# Altium PCB Bran_Main_Assay_PCB_v2_20170826.pcbdoc (part 1 of 4) (continued)
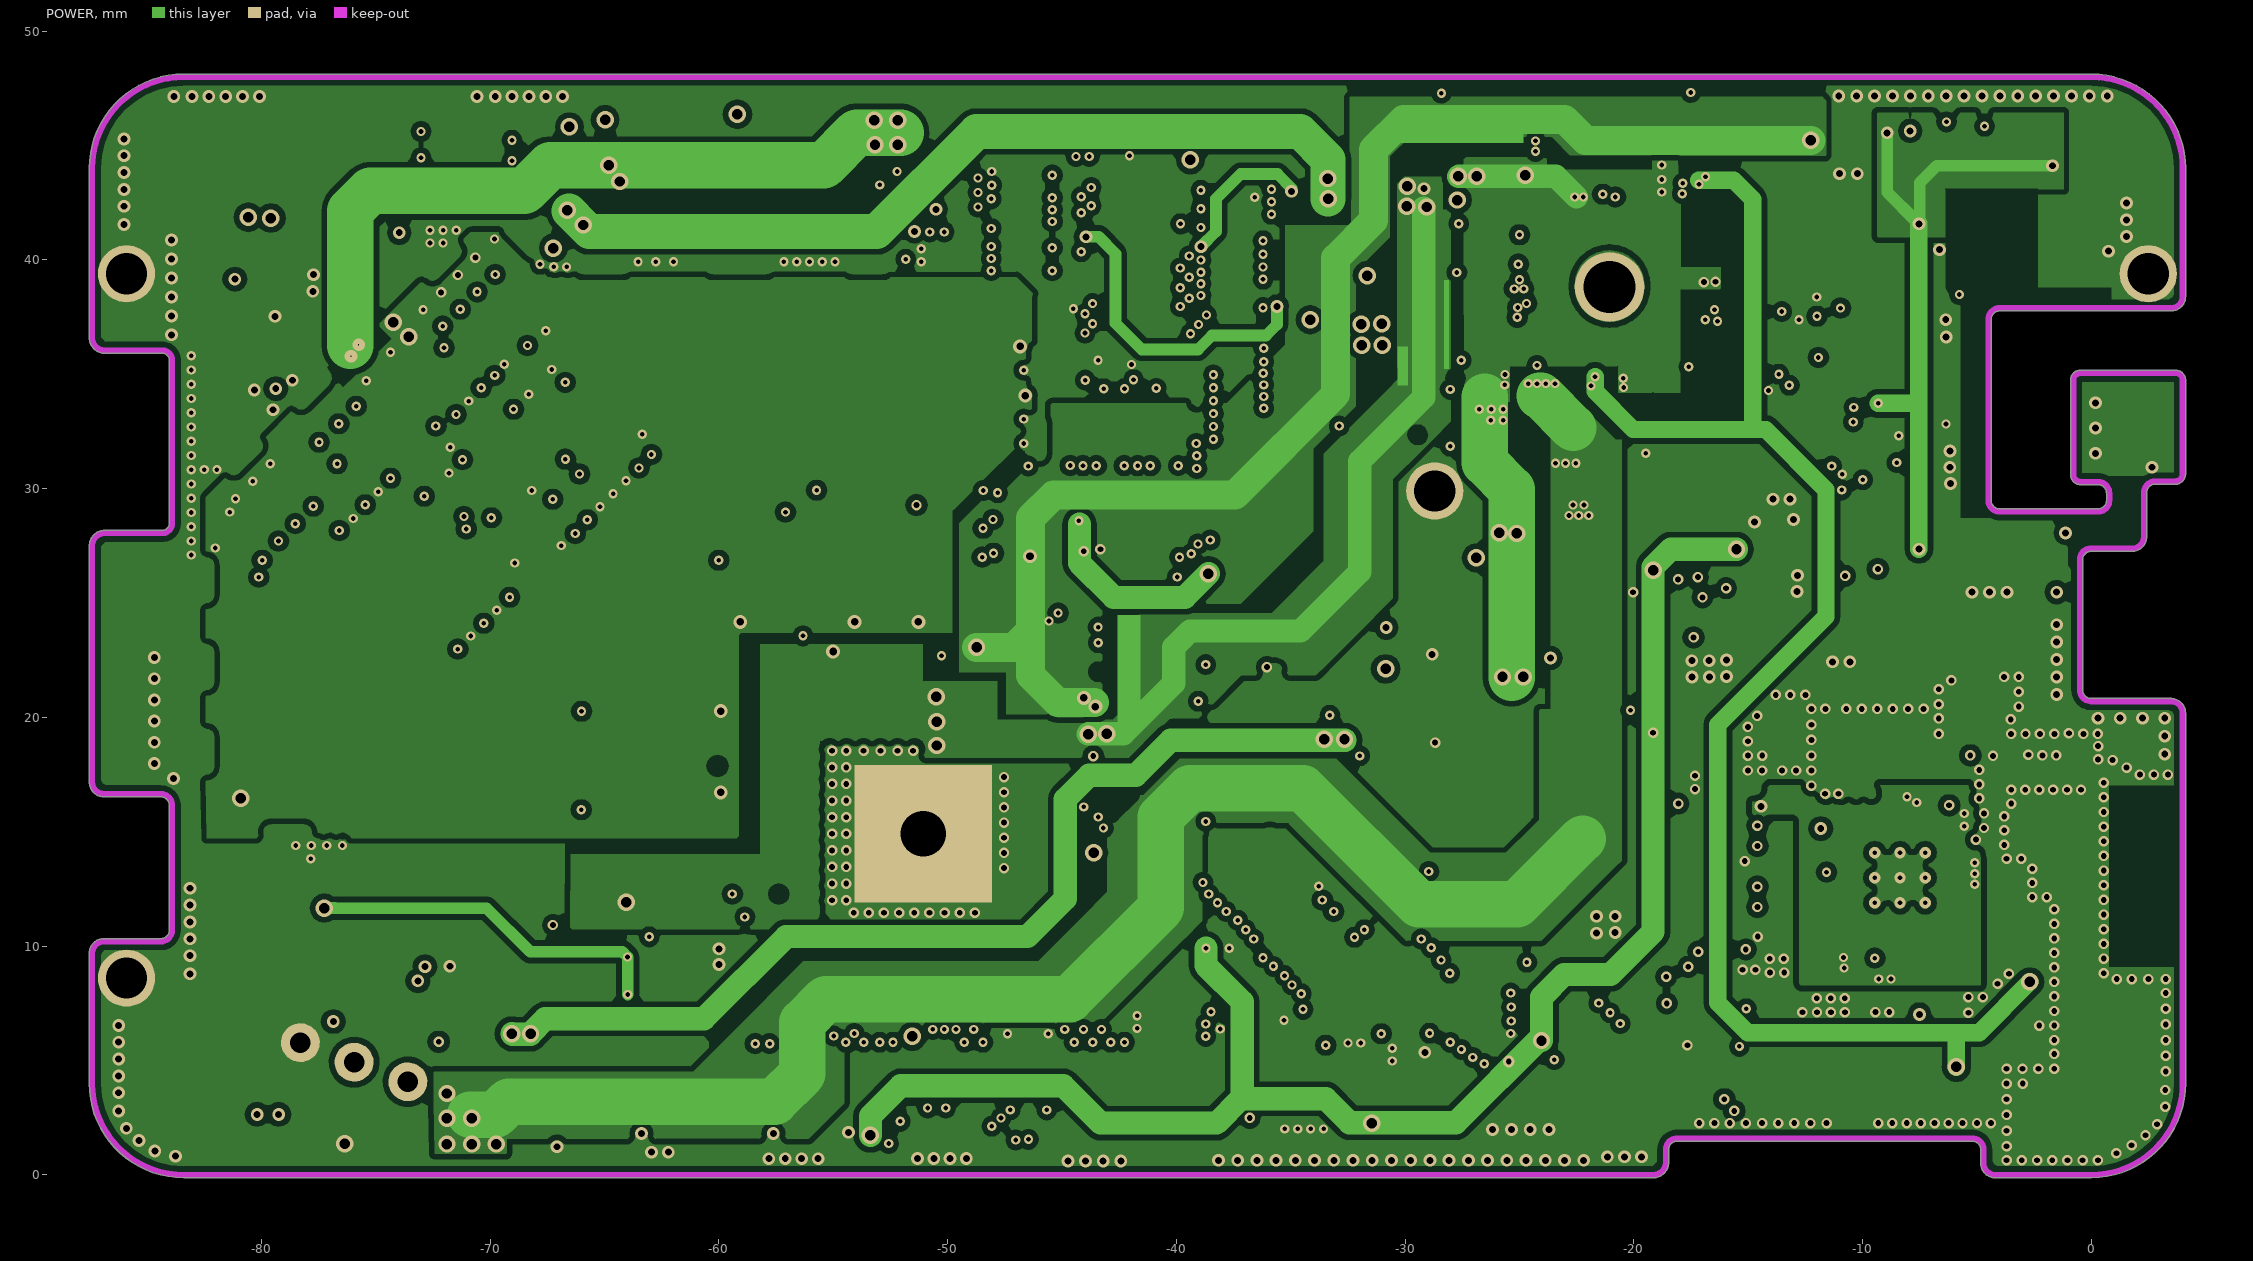
[diagram p4: POWER]
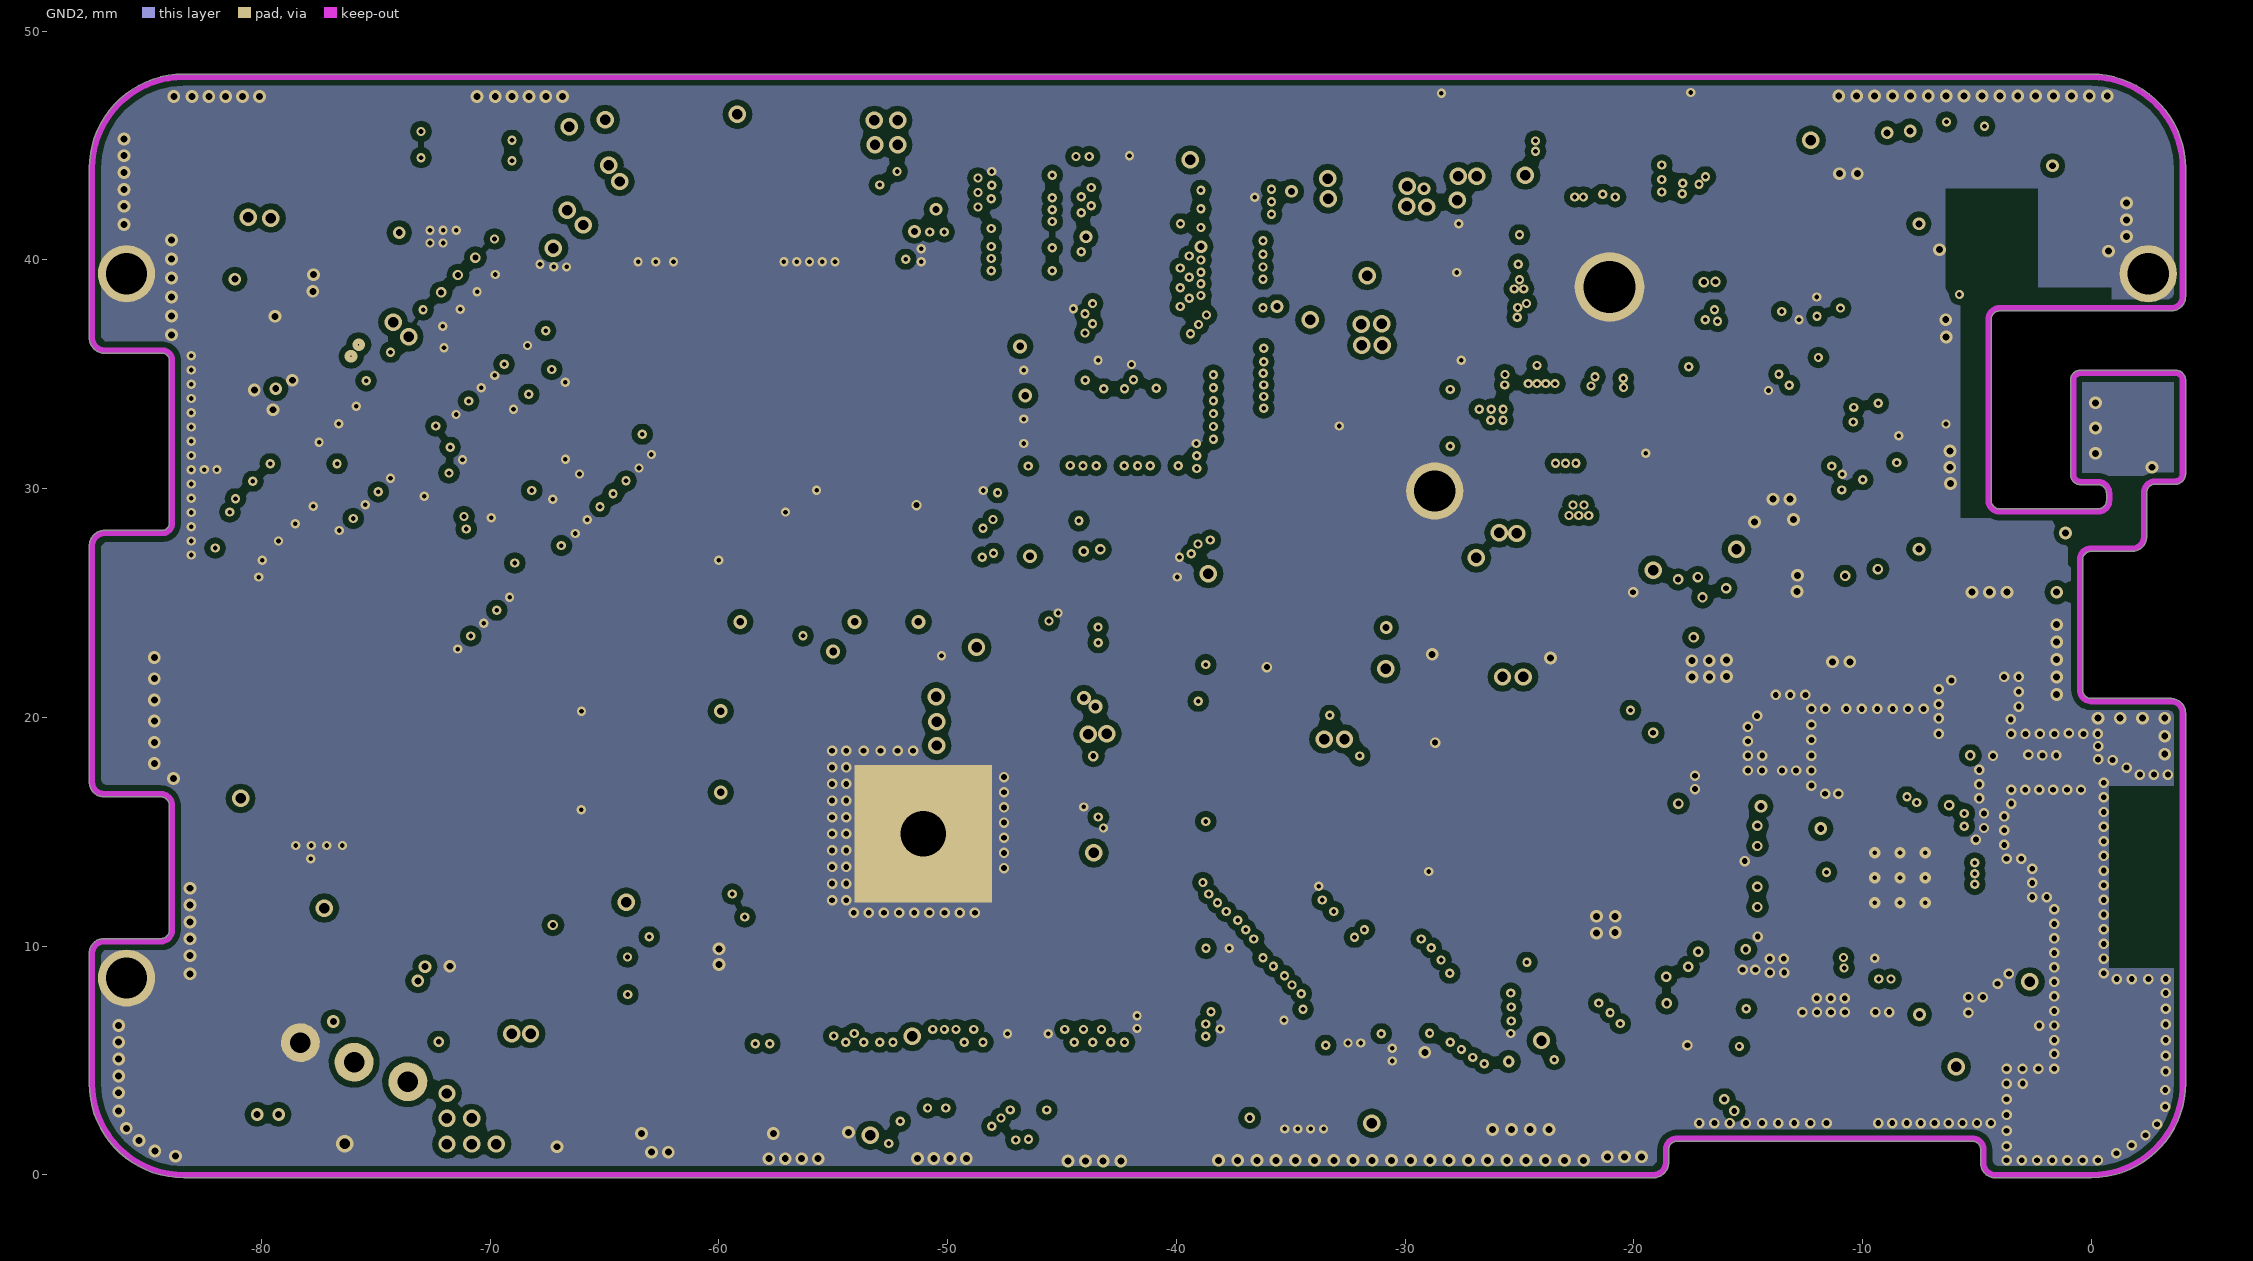
[diagram p5: GND2]
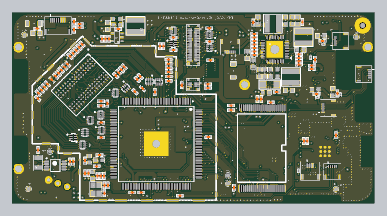
[diagram p9: 3D render of the assembled board from above, using the file's embedded part models]
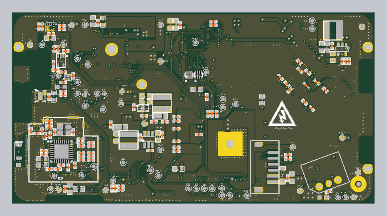
[diagram p10: 3D render of the assembled board from below, using the file's embedded part models]

## Layer stack, top to bottom
Solder Mask Top: solder mask 0.0102, Solder Resist, Dk 3.5
TOP: signal copper 0.0305
Dielectric1: core 0.127, FR-4, Dk 4.2
GND1: signal copper 0.0343
Dielectric4: prepreg 0.127, FR-4, Dk 4.2
Singal: signal copper 0.0343
Dielectric2: core 0.127, FR-4, Dk 4.2
POWER: signal copper 0.0305
Dielectric3: prepreg 0.098, FR-4, Dk 4.2
GND2: signal copper 0.0343
Dielectric5: core 0.127, FR-4, Dk 4.2
BOTTOM: signal copper 0.0305
Solder Mask Bottom: solder mask 0.0102, Solder Resist, Dk 3.5

## Board outline
-87.527,4 -87.527,9.7 cw(c-87.4,9.7) -87.527,9.703 cw(c-86.887,9.687) -86.872,10.327 cw(c-86.887,9.687) -86.87,10.327 -86.873,10.327 -84.4,10.327 ccw(c-84.4,10.7) -84.027,10.699 cw(c-83.9,10.7) -84.027,10.7 -84.027,16.154 ccw(c-84.413,16.142) -84.402,16.528 ccw(c-84.413,16.142) -84.403,16.528 -84.402,16.528 -86.901,16.528 cw(c-86.901,16.656) -86.937,16.533 cw(c-86.901,17.158) -87.527,17.158 -87.527,27.55 cw(c-87.4,27.55) -87.527,27.562 cw(c-86.85,27.5) -86.795,28.177 -84.308,28.177 ccw(c-84.35,28.5) -84.025,28.5 ccw(c-84.35,28.5) -84.027,28.536 cw(c-83.9,28.55) -84.027,28.55 -84.027,35.55 cw(c-83.9,35.55) -84.027,35.564 ccw(c-84.35,35.6) -84.025,35.6 ccw(c-84.35,35.6) -84.308,35.923 -86.795,35.923 cw(c-86.85,36.6) -87.527,36.538 cw(c-87.4,36.55) -87.527,36.551 -87.527,44 cw(c-83.4,44) -83.4,48.127 0,48.127 cw(c0,44) 4.127,44 4.127,38.4 ccw(c4,38.4) 4.127,38.401 4.127,38.4 cw(c3.5,38.4) 3.5,37.773 -4,37.773 ccw(c-4,37.4) -4.373,37.4 -4.373,29.49 ccw(c-4,29.49) -4,29.117 0.3,29.117 ccw(c0.3,29.49) 0.673,29.49 0.673,29.8 cw(c0.8,29.8) 0.673,29.801 cw(c0.299,29.801) 0.673,29.8 0.673,29.801 ccw(c0.299,29.801) 0.673,29.801 ccw(c0.299,29.801) 0.3,30.175 -0.425,30.175 cw(c-0.425,30.302) -0.462,30.18 cw(c-0.474,30.307) -0.474,30.18 cw(c-0.474,30.607) -0.901,30.607 cw(c-0.774,30.607) -0.9,30.625 cw(c-0.773,30.632) -0.9,30.632 -0.9,34.752 cw(c-0.473,34.752) -0.473,35.18 3.653,35.18 cw(c3.653,35.052) 3.676,35.178 cw(c3.7,35.052) 3.7,35.18 cw(c3.7,34.752) 4.127,34.752 4.127,30.632 cw(c4,30.632) 4.123,30.599 cw(c3.697,30.628) 3.805,30.214 cw(c3.747,30.328) 3.747,30.2 3.71,30.2 cw(c3.697,30.628) 3.697,30.2 cw(c3.697,30.328) 3.689,30.2 2.802,30.2 cw(c2.814,29.814) 2.803,30.2 2.802,30.2 ccw(c2.814,29.814) 2.427,29.803 cw(c2.3,29.8) 2.427,29.8 cw(c2.3,29.8) 2.427,29.799 2.427,27.89 cw(c2.3,27.89) 2.427,27.89 cw(c1.8,27.89) 1.8,27.263 0,27.263 cw(c0,27.39) -0.001,27.263 ccw(c-0.005,26.895) -0.373,26.899 ccw(c-0.005,26.895) -0.373,26.899 -0.373,26.9 -0.373,21.2 ccw(c0,21.2) 0,20.827 3.5,20.827 cw(c3.5,20.7) 3.523,20.825 cw(c3.5,20.198) 4.127,20.201 cw(c3.5,20.198) 4.127,20.198 4.127,20.2 ccw(c4,20.2) 4.127,20.201 4.127,20.2 4.127,4 cw(c0,4) 0,-0.127 -4.2,-0.127 cw(c-4.2,0.5) -4.827,0.5 -4.827,1.1 ccw(c-5.2,1.1) -5.2,1.473 -18.1,1.473 ccw(c-18.1,1.1) -18.473,1.1 -18.473,0.5 cw(c-18.6,0.5) -18.473,0.488 cw(c-19.15,0.55) -19.205,-0.127 -83.4,-0.127 cw(c-83.4,4)

## Design rules (kind name [scope] priority, off if disabled: settings)
Clearance Clearance_1 [InNet('VSSA')] p1: gap=0.152
Clearance [InPolygon] p2: gap=0.254
Clearance "Clearance - Default - DEFAULT- SMD" [IsVia vs IsSMTPin] p3: gap=0.152
Clearance "Clearance - Default - DEFAULT - Via" [IsVia vs IsVia] p4: gap=0.025
Clearance "Clearance - Default - DEFAULT - Net" [All] p5: gap=0.102
ComponentClearance "ComponentClearance - Default - DEFAULT" [All] p1: gap=0.152 collisioncheckmode=3 verticalgap=0.254 showdistances=FALSE
DiffPairsRouting "DiffPairsRouting - DiffPair - Default" [All] p1: maxlimit=0.203 minlimit=0.203 mostfreqgap=0.203 toplayer_minwidth=0.381 toplayer_maxwidth=0.381 toplayer_prefwidth=0.381 midlayer1_minwidth=0.381 midlayer1_maxwidth=0.381 midlayer1_prefwidth=0.381 midlayer2_minwidth=0.381 midlayer2_maxwidth=0.381 midlayer2_prefwidth=0.381 midlayer3_minwidth=0.381 midlayer3_maxwidth=0.381 midlayer3_prefwidth=0.381 midlayer4_minwidth=0.381 midlayer4_maxwidth=0.381 midlayer4_prefwidth=0.381 bottomlayer_minwidth=0.381 bottomlayer_maxwidth=0.381 bottomlayer_prefwidth=0.381 maxuncoupledlength=12.7
FanoutControl Fanout_Small [(CompPinCount < 5)] p3: bgadir=Out bgaviamode=Centered fanoutstyle=Auto fanoutdirection=OutThenIn viagrid=0.025 // Fanout_Small (Default Rule)
FanoutControl Fanout_SOIC [IsSOIC] p4: bgadir=Out bgaviamode=Centered fanoutstyle=Auto fanoutdirection=Alternating viagrid=0.025 // Fanout_SOIC (Default Rule)
HoleToHoleClearance "HoleToHoleClearance - Default - DEFAULT" [All] p1: gap=0.152 allowstackedmicrovias=TRUE
Length "Default Length" [All] p1: maxlimit=1270 minlimit=0
MaxMinImpedance "Default Impedance" [All] p1: minimum=50.00 maximum=150.0
ParallelSegment "Default Parallel Segment Same Layer" [All] p1: limit=25.4 gap=5.08
ParallelSegment "Default Parallel Segment Adjasent" [All] p2: limit=25.4 gap=5.08
PlaneConnect "Default PlaneConnect" [All] p1: planeconnectstyle=Relief reliefexpansion=0.508 reliefentries=0 reliefconductorwidth=0.254 reliefairgap=0.254
PolygonConnect [All] p1: connectstyle=Direct reliefconductorwidth=0.508 reliefentries=4 polygonreliefangle="90 Angle" airgapwidth=0.254
PolygonConnect "PolygonConnect - Default SMT" [IsSMTPin] p2: connectstyle=Relief reliefconductorwidth=0.254 reliefentries=4 polygonreliefangle="90 Angle" airgapwidth=0.254
PolygonConnect "PolygonConnect - Default Pad" [All] p3: connectstyle=Relief reliefconductorwidth=0.254 reliefentries=4 polygonreliefangle="90 Angle" airgapwidth=0.254
RoutingLayers "RoutingLayers - Default - DEFAULT" [All] p1: top layer_v5=TRUE mid layer 1_v5=TRUE mid layer 2_v5=TRUE mid layer 3_v5=TRUE mid layer 4_v5=TRUE bottom layer_v5=TRUE
RoutingPriority "RoutingPriority - Default - DEFAULT" [All] p1: routingpriority=0
RoutingTopology "Default Routing Topology" [All] p1: topology=Shortest
RoutingVias "RoutingVias - Default - DEFAULT" [All] p1: holewidth=0.711 width=1.27 viastyle="Through Hole" minholewidth=0.203 minwidth=0.254 maxholewidth=0.762 maxwidth=1.524
SMDToCorner "SMDToCorner - Default - DEFAULT" [All] p1: distance=60000
SolderMaskExpansion [All] p1: expansion=0.102
Width "Default Width" [All] p1: maxlimit=2.032 minlimit=0.102 preferedwidth=0.152
21 further rules are at their usual default settings.

## Components (designator, comment, footprint, x,y, rotation, side; value= is the part's Value field where it differs from the comment)
A1 "ASC_RFANT3216120A5T_V07" 3216 2.4,13 r270 bottom
C1 "1uF" C_0402 -65.108,6.807 r90 top
C2 "10uF" C_0603 -67.994,11.023 r270 top
C3 "104" C0402 -69.137,10.693 r270 top
C4 "4.7uF" C_0603 -67.076,6.95 r90 top
C5 "104" C_0402 -68.207,7.491 r90 top
C7 "104" C_0402 -37.883,16.63 r180 top
C8 "10uF" C_0603 -65.581,10.719 r0 top
C9 "104" C_0402 -65.429,12.065 r0 top
C10 "104" C_0402 -66.142,9.228 r0 top
C15 "4.7uF" C_0603 -37.939,8.606 r0 bottom
C16 "1uF" C_0402 -45.122,26.765 r90 bottom
C17 "104" C_0402 -57.125,2.624 r0 top
C18 "1uF" C_0402 -43.069,17.293 r180 bottom
C19 "104" C_0402 -54.839,2.624 r180 top
C20 "4.7uF" C_0603 -42.52,28.786 r180 bottom
C21 "1uF" C_0402 -46.457,22.563 r90 bottom
C22 "1uF" C_0402 -45.441,22.563 r90 bottom
C23 "1uF" C_0402 -47.6,22.563 r90 bottom
C24 "104" C_0402 -37.44,15.578 r180 bottom
C25 "104" C_0402 -37.44,18.741 r180 bottom
C26 "104" C_0402 -37.44,20.697 r180 bottom
C27 "104" C_0402 -37.44,21.763 r180 bottom
C28 "1uF" C_0402 -37.44,13.038 r180 bottom
C29 "104" C_0402 -65.683,12.166 r0 bottom
C30 "104" C_0402 -37.44,14.054 r180 bottom
C31 "104" C0402 -72.046,10.439 r90 top
C32 "NC" C0402 -80.976,13.347 r270 top
C33 "1uF" C_0402 -64.977,20.274 r0 top
C34 "1uF" C_0402 -54.494,28.903 r315 top
C35 "104" C_0402 -51.42,28.04 r270 top
C36 "104" C_0402 -64.977,16.535 r0 top
C37 "18pF-1%" C_0402 -64.186,2.395 r90 top
C38 "18pF-1%" C_0402 -64.186,4.427 r270 top
C39 "4.7uF" C_0603 -20.383,32.868 r270 top
C40 "10uF" C_0603 -24.994,32.85 r90 top
C41 "4.7uF" C_0603 -74.473,1.354 r0 bottom
C42 "1uF" C_0402 -20.549,28.024 r180 top
C43 "47pF" C_0402 -79.386,35.784 r90 bottom
C44 "10uF" C_0603 -17.501,28.532 r0 top
C45 "10uF" C_0603 -23.343,27.897 r180 top
C46 "10uF" C_0603 -15.215,46.122 r90 top
C47 "10uF" C_0603 -14.58,38.692 r0 top
C48 "102" C_0402 -14.072,45.741 r90 top
C49 "4.7uF" C_0402 -56.449,28.115 r135 top
C50 "4.7uF" C_0603 -76.999,36.874 r90 bottom
C51 "0.01uF" C_0402 -76.872,39.694 r270 bottom
C52 "10uF" TAN_0603 -75.602,39.363 r270 bottom
C53 "10uF" C_0603 -26.518,35.263 r270 top
C54 "10uF" C_0603 -28.042,37.422 r270 top
C55 "10uF" C_0603 -18.771,45.931 r90 bottom
C56 "102" C_0402 -17.501,45.55 r90 bottom
C57 "10uF" C_0603 -18.39,46.122 r90 top
C58 "47pF" C_0402 -63.893,41.478 r270 top
C59 "1uF" C_0402 -26.264,39.2 r0 top
C60 "1uF" C_0402 -26.264,40.089 r180 top
C61 "4.7uF" C_0603 -16.358,45.995 r90 bottom
C62 "1uF" C_0402 -26.264,42.756 r0 top
C63 "4.7uF" C_0603 -22.2,32.85 r90 top
C64 "4.7uF" C_0603 -63.308,44.697 r90 top
C65 "0.01uF" C_0402 -60.692,43.961 r180 top
C66 "22uF" TAN_0603 -61.073,45.104 r180 top
C67 "4.7uF" C_0603 -25.375,46.122 r90 top
C68 "10uF" C_0603 -23.597,32.85 r270 top
C69 "4.7uF" C_0603 -16.612,46.122 r270 top
C70 "102" C_0402 -14.961,34.95 r180 top
C71 "1uF" C_0402 -26.264,41.867 r0 top
C81 "104" C_0402 -74.255,34.339 r135 top
C82 "104" C_0402 -47.906,34.071 r180 top
C83 "104" C_0402 -75.093,33.577 r315 top
C84 "104" C_0402 -47.929,35.18 r0 top
C85 "104" C_0402 -65.39,30.071 r45 bottom
C86 "104" C_0402 -63.739,31.722 r225 bottom
C87 "104" C_0402 -75.128,28.514 r45 bottom
C88 "104" C_0402 -66.152,28.547 r315 bottom
C89 "104" C_0402 -73.01,30.579 r225 bottom
C90 "104" C_0402 -81.011,26.389 r315 top
C91 "104" C_0402 -80.884,27.786 r315 top
C92 "104" C_0402 -80.122,28.548 r315 top
C93 "104" C_0402 -79.36,29.31 r315 top
C94 "104" C_0402 -78.598,30.072 r315 top
C95 "104" C_0402 -76.541,32.053 r135 top
C96 "104" C_0402 -70.343,29.69 r45 bottom
C97 "104" C_0402 -69.832,25.444 r45 bottom
C98 "104" C_0402 -71.554,23.907 r225 bottom
C99 "104" C_0402 -70.672,33.069 r225 bottom
C100 "104" C_0402 -68.565,35.609 r45 bottom
C101 "104" C_0402 -68.692,33.5 r225 bottom
C102 "104" C_0402 -72.883,37.057 r315 top
C103 "104" C_0402 -72.121,37.819 r315 top
C104 "104" C_0402 -71.359,38.581 r315 top
C105 "104" C_0402 -70.597,39.343 r315 top
C106 "104" C_0402 -69.835,40.105 r315 top
C109 "10pF" C_0402 -63.445,25.111 r270 top
C111 "104" C_0402 -32.147,23.44 r180 top
C116 "104-50V" C_0402 -29.298,22.073 r180 bottom
C117 "1uF" C_0402 -65.701,11.121 r180 bottom
C120 "104" C_0402 -50.151,39.643 r90 top
C121 "10uF" C_0603 -35.902,45.136 r270 bottom
C122 "10uF" C_0603 -37.299,45.136 r270 bottom
C123 "104" C_0402 -38.417,44.958 r270 bottom
C142 "4.7uF" C_0603 -59.046,26.081 r270 bottom
C145 "104" C_0402 -81.19,44.069 r0 top
C146 "4.7uF" C_0603 -81.393,42.926 r0 top
C148 "104" C_0402 -47.915,31.977 r180 top
C152 "4.7uF" C_0603 -5.447,41.601 r180 bottom
C154 "104" C_0402 -5.219,27.686 r270 top
C155 "4.7uF" C_0603 -6.426,28.067 r270 top
C156 "104" C_0402 -10.527,27.483 r180 top
C157 "4.7uF" C_0603 -10.832,28.651 r180 top
C158 "104" C0402 -65.569,6.223 r270 bottom
C159 "22uF" TAN_0603 -66.611,6.401 r90 bottom
C174 "10uF" C_0603 -3.517,11.1 r0 bottom
C175 "1uF" C_0402 -5.549,17.12 r90 bottom
C176 "0.1uF" C_0402 -3.873,13.132 r0 bottom
C204 "1uF" C0402 -24.486,26.246 r270 top
C207 "104" C0402 -25.502,26.246 r270 top
C208 "1uF" C0402 -21.946,3.64 r90 bottom
C209 "104" C0402 -21.057,3.64 r90 bottom
C213 "6.8pF" C0402 -2.081,17.551 r0 bottom
C215 "2nH" C_0402 -3.428,18.085 r90 bottom
C216 "2.4pF" C_0402 -0.71,18.11 r90 bottom
C220 "3.3pF" C_0402 -6.628,17.856 r90 bottom
C221 "3.3pF" C_0402 -11.378,17.856 r270 bottom
C225 "10uF" C_0603 -22.175,16.563 r270 bottom
C226 "22uF" TAN_0603 -32.817,16.741 r270 bottom
C227 "0.1uF" C_0402 -28.278,16.51 r270 bottom
C228 "0.1uF" C_0402 -33.935,17.071 r270 bottom
C235 "1uF" C_0402 -9.41,38.43 r180 bottom
C236 "1uF" C_0402 -6.844,33.579 r0 bottom
C237 "0.01uF" C_0402 -6.336,35.154 r90 bottom
C238 "0.1uF" C_0402 -5.207,26.797 r90 bottom
C240 "104" C_0402 -5.777,42.744 r180 bottom
C241 "0.1uF" C_0402 -8.8,33.045 r0 bottom
C242 "0.1uF" C_0402 -8.8,30.429 r0 bottom
C243 "0.1uF" C_0402 -13.73,15.63 r90 top
C244 "10nF" C_0402 -5.574,17.094 r270 top
C245 "3.3nF" C_0402 -5.282,18.999 r180 bottom
C246 "0.1uF" C_0402 -8.288,9.474 r180 bottom
C247 "1uF" C_0402 -3.873,12.243 r0 bottom
C248 "104" C_0402 -9.244,3.581 r90 bottom
C249 "4.7uF" C_0603 -10.451,3.529 r90 bottom
C250 "1uF" C_0402 -11.797,9.474 r270 bottom
C251 "10uF" C_0603 -29.654,25.603 r180 bottom
C252 "4.7uF" C_0603 -9.4,42.241 r0 top
C253 "104" C_0402 -9,40.989 r0 top
D2 "VS5V0BC1EST15R" 0201#1 -15.088,8.077 r90 top
D4 "VS5V0BC1EST15R" 0201#1 -12.014,36.703 r90 top
D5 "RSA5M" SOD-123 -31.554,33.401 r90 top
D6 "RSA5M" SOD-123 -82.105,45.339 r0 top
D7 "VMNZC68CST2RA" ESD_0402 -71.843,45.79 r90 top
D8 "VMNZC68CST2RA" ESD_0402 -71.843,43.783 r270 top
D12 "SS14/IN5819" PROGRAM_1/2 -33.768,21.92 r90 bottom
D13 "VS5V0BC1EST15R" 0201#1 -4.418,27.418 r90 top
D14 "RSA5M" SOD-123 -64.325,7.112 r270 bottom
D15 "VS5V0BC1EST15R" 0201#1 -10.312,26.695 r180 top
D18 "1N5819" PROGRAM_1/2 -23.597,19.154 r90 bottom
D19 "VS5V0BC1EST15R" 0201#1 -8.103,6.248 r180 bottom
D20 "VS5V0BC1EST15R" 0201#2 -8.813,40.107 r180 top
J1 "046298704220883+" FPC_CON4-KYOCERA -12.1,8.025 r90 top locked
J2 "BATTARY" BL-5C -75.95,4.923 r160 bottom locked
J3 "50340-08-0600" 503480-0600 -32.35,39.475 r270 top
J4 "046298708220883+" FPC_CON8-KYOCERA -76.018,44.795 r90 top locked
J5 "50340-08-0500" 503480-0500 1.538,32.664 r0 top locked
J6 "CI1506M1HR0-NH" WTB_SIDE_6PIN -58.2,3.3 r90 bottom locked
J7 "50340-08-0500" 503480-0500 -7.555,24 r180 top locked
J15 "CON" 503480-0620 -41.7,29.9 r270 top locked
J16 "AT070TN93" 503304-4240 -41.7,39.97 r270 top locked
J17 "50340-08-0500" 503480-0500 -6.5,7.9 r90 top locked
J18 "50340-08-0500" 503480-0500 -4.427,40.942 r180 top locked
L1 "2.2uH-DCR<0.1R-1.5A/ELL4LG2R2NA" CD32 -16.993,31.834 r90 top
L2 "4.7uH-DCR<0.1R-1.5A/ELL4LG2R2NA" CD32 -13.818,41.867 r90 top
L3 "2.2uH-DCR<0.1R-1.5A/ELL4LG2R2NA" CD32 -76.999,43.605 r180 bottom
L4 "4.7uH-DCR<0.1R-1.5A/ELL4LG2R2NA" CD32 -21.565,45.296 r180 top
L5 "2.2uH-DCR<0.1R-1.5A/ELL4LG2R2NA" CD32 -56.323,44.774 r270 top
L7 "10uH-DCR<0.1R-1.5A/ELL4LG100MA" CD32 -33.743,25.197 r270 bottom
L12 "600R-1.5A" L_0603 -61.098,46.501 r0 top
L13 "600R-1.5A" L_0603 -74.179,39.389 r90 bottom
L18 "2.2uH-DCR<0.1R-1.5A/ELL4LG2R2NA" CD32 -25.35,15.903 r270 bottom
L19 "600R-1.5A" L_0603 -29.654,27 r0 bottom
M1 "Bad Mark" MARK_POINT#1 1.17,44.856 r0 top
M2 "Bad Mark" MARK_POINT#2 -83.488,4.75 r180 bottom
R1 "200K-1%" R_0402 -69.086,7.486 r90 top
R2 "0R" R_0402 -65.946,6.807 r270 top
R3 "1K" R_0402 -3.44,44.623 r90 bottom
R4 "1K" R_0402 -2.551,44.623 r90 bottom
R5 "2.2K" R_0402 -37.981,29.057 r180 top
R6 "2.2K" R_0402 -37.984,29.991 r180 top
R7 "4.7K" R_0402 -11.696,33.833 r180 top
R8 "4.7K" R_0402 -11.696,34.747 r180 top
R9 "0R" R_0402 -63.283,4.427 r270 top
R11 "0R03" R_1206 -22.327,29.929 r180 top
R12 "100K-1%" R_0402 -81.164,35.79 r90 bottom
R13 "150K-1%" R_0402 -80.275,35.79 r270 bottom
R14 "1R" R_0402 -26.264,37.422 r0 top
R15 "1R" R_0402 -26.264,38.311 r180 top
R17 "100K-1%" R_0402 -63.029,41.478 r270 top
R18 "442K-1%" R_0402 -64.756,41.478 r90 top
R19 "200K-1%" R_0402 -26.518,45.614 r270 top
R21 "47K" R_0402 -14.961,36.683 r0 top
R22 "1K" R_0402 -14.961,35.817 r0 top
R23 "47K" R_0402 -26.264,40.978 r180 top
R28 "510R" R_0402 -10.93,36.22 r270 top
R32 "NC/0R-1%" R_0402 -23.343,4.148 r180 bottom
R34 "10K" R_0402 -22.073,25.421 r0 top
R35 "NC/0R-1%" R_0402 -23.343,3.259 r0 bottom
R39 "10K" R_0402 -32.147,24.608 r180 top
R44 "33R" R_0402 -46.799,45.872 r180 bottom
R45 "33R" R_0402 -37.654,44.164 r0 top
R46 "33R" R_0402 -46.799,44.933 r180 bottom
R50 "5R-1%" R_0402 -26.606,24.155 r90 bottom
R54 "33R" R0402 -37.578,40.811 r0 top
R55 "10K" R_0402 -49.262,39.643 r270 top
R65 "24R-1%" R_0402 -65.045,24.604 r180 top
R68 "24R-1%" R_0402 -65.045,25.696 r180 top
R71 "240R-1%" R_0402 -77.481,31.113 r315 top
R72 "24R-1%" R_0402 -59.167,34.415 r135 top
R73 "24R-1%" R_0402 -59.853,33.678 r135 top
R74 "24R-1%" R_0402 -60.564,32.916 r135 top
R75 "24R-1%" R_0402 -61.301,32.205 r135 top
R76 "24R-1%" R_0402 -55.891,31.215 r135 top
R77 "24R-1%" R_0402 -55.129,31.977 r135 top
R79 "10K" R_0402 -46.722,38.633 r0 top
R80 "10K" R_0402 -37.375,36.061 r180 top
R81 "10K" R_0402 -46.722,41.808 r0 top
R86 "2K-1%" R_0402 -73.518,35.101 r135 top
R89 "2K-1%" R_0402 -47.942,36.227 r0 top
R90 "2K-1%" R_0402 -75.804,32.815 r315 top
R91 "2K-1%" R_0402 -47.906,33.042 r180 top
R94 "240R-1%" R_0402 -47.915,30.859 r180 top
R99 "10K" R_0402 -31.42,3.831 r270 top
R129 "10K" R_0402 -8.419,43.942 r0 bottom
R130 "10K" R_0402 -8.419,44.852 r0 bottom
R131 "10K" R_0402 -20.803,19.833 r90 bottom
R151 "0R" R_0402 -14.961,37.549 r180 top
R155 "12K-1%" R_0402 -5.282,20.701 r180 bottom
R156 "0R-1%" R_0402 -4.266,16.916 r90 bottom
R157 "0R" R_0402 -70.42,44.342 r0 top
R158 "0R" R_0402 -70.42,45.231 r0 top
R160 "0R-1%" R_0603' 2.4,10.4 r270 bottom
R168 "200R-1%" R_0402 -13.31,10.828 r0 bottom
R169 "200R-1%" R_0402 -13.31,11.717 r0 bottom
R170 "200R-1%" R_0402 -13.31,12.606 r0 bottom
R171 "200R-1%" R_0402 -45.046,1.829 r0 top
R172 "200R-1%" R_0402 -13.31,14.384 r0 bottom
R173 "200R-1%" R_0402 -13.185,15.279 r0 bottom
R176 "0R-1%" R_0603 -3.517,9.677 r180 bottom
R177 "1K-1%" R_0402 -44.614,29.769 r270 top
R178 "NC/100R-1%" R_0402 -75.946,2.771 r160 bottom
R179 "10K-1%" R_0402 -15.861,12.606 r0 bottom
R180 "100K-1%" R_0402 -5.346,8.534 r0 bottom
R181 "100K" R_0402 -64.295,6.807 r90 top
R188 "200K-1%" R_0402 -34.505,20.549 r0 bottom
R189 "1.8M-1%" R_0402 -31.736,20.523 r0 bottom
R190 "100K-1%" R_0402 -30.847,13.229 r0 bottom
R194 "10K" R_0402 -72.935,10.439 r90 top
R195 "0R-1%" R_0603 -8.267,29.312 r0 bottom
R196 "10K-1%" R_0402 -8.8,28.143 r180 bottom
R197 "10K-1%" R_0402 -8.826,27.178 r180 bottom
R198 "0R-1%" R_0603 -12.749,3.454 r180 bottom
R199 "10K-1%" R_0402 -7.429,38.989 r270 bottom
R200 "0R-1%" R_0402 -7.454,8.534 r0 bottom
R201 "0R-1%" R_0402 -12.813,15.646 r270 top
R202 "20K-1%" R_0402 -5.282,19.863 r180 bottom
R203 "0R-1%" R_0402 -10.096,8.941 r90 bottom
R204 "0R-1%" R_0402 -13.18,16.159 r180 bottom
R205 "10K-1%" R_0402 -15.862,15.273 r180 bottom
R206 "10K-1%" R_0402 -15.862,14.384 r180 bottom